# Altium PCB RPIadaptor1.PcbDoc (part 1 of 2) (continued)
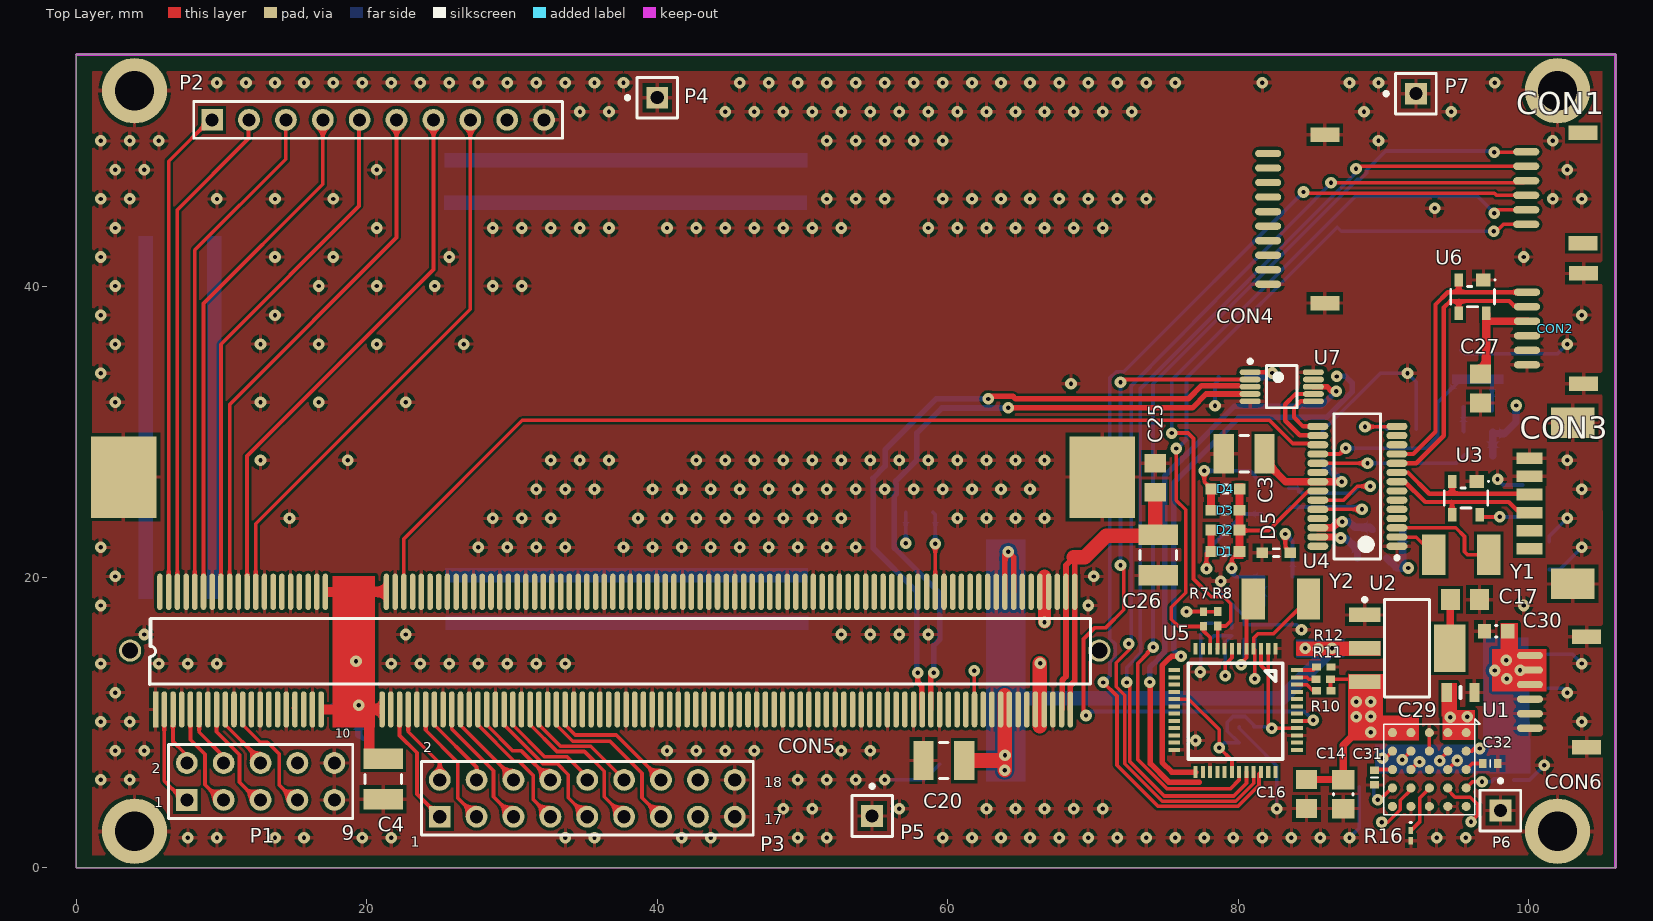
[diagram p0: Top Layer view]
## Footprints (in the part's own frame and the unit in brackets; to place one, negate y for a bottom-side part, rotate by r counter-clockwise, add the part's x,y. Pads: shape width x height; smd on the part's side, far side on the other; paste and mask are expansions set on the pad) (continued)
  silkscreen extent -2.85,-5 1.6,5.05, body extent -3,-5 3,5, height 1.73
T1M-06-F-SH-L-K [mm]
  oval 0.5x1.8 smd: 1(5,0) 2(4,0) 3(3,0) 4(2,0) 5(1,0) 6(0,0)
  rect 1x2 smd: GND(-1.3,-3.9) GND(6.3,-3.9)
  body extent -1.7,-5.48 6.7,0.42, height 4.72
T1M-10-F-SH-L-K [mm]
  oval 0.5x1.8 smd: 1(0,0) 2(-1,0) 3(-2,0) 4(-3,0) 5(-4,0) 6(-5,0) 7(-6,0) 8(-7,0) 9(-8,0) 10(-9,0)
  rect 1x2 smd: GND(-10.3,-3.9) GND(1.3,-3.9)
  body extent -10.7,-5.47 1.7,0.42, height 4.7
VNC1L [mm]
  rect 0.28x0.8 smd: 1(-71.65,-13.35) 2(-71.15,-13.35) 3(-70.65,-13.35) 4(-70.15,-13.35) 5(-69.65,-13.35) 6(-69.15,-13.35) 7(-68.65,-13.35) 8(-68.15,-13.35) 9(-67.65,-13.35) 10(-67.15,-13.35) 11(-66.65,-13.35) 12(-66.15,-13.35) 25(-66.15,-4.85) 26(-66.65,-4.85) 27(-67.15,-4.85) 28(-67.65,-4.85) 29(-68.15,-4.85) 30(-68.65,-4.85) 31(-69.15,-4.85) 32(-69.65,-4.85) 33(-70.15,-4.85) 34(-70.65,-4.85) 35(-71.15,-4.85) 36(-71.65,-4.85)
  rect 0.8x0.28 smd: 13(-64.67,-11.87) 14(-64.67,-11.37) 15(-64.67,-10.87) 16(-64.67,-10.37) 17(-64.67,-9.87) 18(-64.67,-9.37) 19(-64.67,-8.87) 20(-64.67,-8.37) 21(-64.67,-7.87) 22(-64.67,-7.37) 23(-64.67,-6.87) 24(-64.67,-6.37) 37(-73.13,-6.37) 38(-73.13,-6.87) 39(-73.13,-7.37) 40(-73.13,-7.87) 41(-73.13,-8.37) 42(-73.13,-8.87) 43(-73.13,-9.37) 44(-73.13,-9.87) 45(-73.13,-10.37) 46(-73.13,-10.87) 47(-73.13,-11.37) 48(-73.13,-11.87)
  silkscreen extent -72.15,-12.35 -65.65,-5.75, body extent -73.39,-13.59 -64.41,-4.61, height 1.6

## Part data
C1 C2 C15 C18 C19 C23 C25 C27: Capacitance="0.1 µF", Case Size="0805 (2012 mm)", Dielectric Characteristic=X7R, Manufacturer=Kemet, Manufacturer Part Number=C0805C104K5RAC-TU, Supplier Part Number 1=399-1170-1-ND, Tolerance="-10, +10 %", Voltage, Rating="50 VDC", Brand/Series="C Series", ComponentLink1Description=https://datasheet.ciiva.com/14589/70095383-14589048.pdf, ComponentLink1URL=https://datasheet.ciiva.com/14589/70095383-14589048.pdf, ComponentLink2Description=https://datasheet.ciiva.com/28682/1851736-28682232.pdf, ComponentLink2URL=https://datasheet.ciiva.com/28682/1851736-28682232.pdf, ComponentLink3Description=https://datasheet.ciiva.com/7842/1851736-7842539.pdf, ComponentLink3URL=https://datasheet.ciiva.com/7842/1851736-7842539.pdf, ComponentLink4Description=https://datasheet.ciiva.com/32431/slceramic-chip-condensers-e-32431755.pdf, ComponentLink4URL=https://datasheet.ciiva.com/32431/slceramic-chip-condensers-e-32431755.pdf, ComponentLink5Description=https://datasheet.ciiva.com/18410/70095383-18410815.pdf, ComponentLink5URL=https://datasheet.ciiva.com/18410/70095383-18410815.pdf, Dimensions="0.079\" x 0.049\" (2 x 1.25mm) LxW", Material, Element=Ceramic, Mounting Type=PCB, Packaging="Cut Tape", Pricing 1="1=0.1, 10=0.053, 25=0.0388, 50=0.029, 100=0.0237, 250=0.0198, 500=0.0169, 1000=0.0133 (USD)", Stock 1=2895664, Supplier 1=Digikey, Termination=SMD
C3 C4 C20 C26: Capacitance=47µF, Manufacturer=Kemet, Operating Temperature="-55°C ~ 125°C", Package / Case="1210 (3225 Metric)", Ratings=-, Supplier Part Number 1=399-12072-1-ND, Temperature Coefficient=X7R, Tolerance=±20%, Voltage - Rated=10V, Applications="General Purpose", Category=Capacitors, ComponentLink1Description=http://www.alliedelec.com/m/d/51f554c3dd800f51434b811e71a34895.pdf, ComponentLink1URL=http://www.alliedelec.com/m/d/51f554c3dd800f51434b811e71a34895.pdf, Family="Ceramic Capacitors", Features=-, Height - Seated (Max)=-, Lead Spacing=-, Lead Style=-, Manufacturer Part Number=C1210C476M8RAC7800, Mounting Type="Surface Mount, MLCC", Packaging="Tape &amp; Reel (TR)", Pricing 1="1=1.47, 10=1.159, 25=1.0628, 50=1.0046, 100=0.8694, 250=0.7728, 500=0.6569 (USD)", Series=C, Size / Dimension="0.126\" L x 0.098\" W (3.20mm x 2.50mm)", Stock 1=9455, Supplier 1=Digikey, Thickness (Max)="0.110\" (2.80mm)"
C5 C16 C17: Capacitance=10µF, Capacitance Tolerance="± 20%", Capacitor Case Style="0805 [2012 Metric]", Dielectric Characteristic=X7R, Manufacturer=Kemet, Operating Temperature Max=125°C, Operating Temperature Min=-55°C, Supplier Part Number 1=399-7413-1-ND, Voltage Rating=10V, Ceramic Capacitor Case="0805 [2012 Metric]", ComponentLink1Description=https://datasheet.ciiva.com/5408/kem-c1002-x7r-smd-5408794.pdf, ComponentLink1URL=https://datasheet.ciiva.com/5408/kem-c1002-x7r-smd-5408794.pdf, Manufacturer Part Number=C0805C106M8RACTU, MSL="MSL 1 - Unlimited", Packaging="Tape & Reel", Pricing 1="1=0.52, 10=0.362, 25=0.2972, 50=0.2536, 100=0.2174, 250=0.1811, 500=0.163, 1000=0.1377 (USD)", Product Range="KEMET - C Series", Stock 1=17950, Supplier 1=Digikey, SVHC="No SVHC (16-Jun-2014)"
C6 C7 C24 C28 C29: library part "CAP 0805", "805 Capacitor"
C8 C9 C10 C11: library part "CAP 0402", "CBR04C680F3GAC"
C12 C13: library part "CAP 0201", "201 Capacitor"
C14: library part CMP-1036-04876-1, "GRM21BR60J476ME15L", Case-EIA=0805, Case-Metric=2012, Rated Voltage="6.3 V", Tolerance=±10%, Max Thickness="1.45 mm", Technology=SMT
C30: library part CMP-1035-01192-1, "GRM188C81E475KE11D", Case-EIA=0603, Case-Metric=1608, Rated Voltage="25 V", Tolerance=±10%, Max Thickness="1 mm", Technology=SMT
C31 C32: library part "CAP 0402", "402 Capacitor"
CON1 CON2 CON6: "6 Positions Header Connector Surface Mount, Right Angle", Manufacturer=Samtec, Supplier Part Number 1=SAM11991-ND, Manufacturer Part Number=T1M-06-F-SH-L-K, Stock 1=0, Supplier 1=Digi-Key
CON3: "CONN HEADER 6POS 1.25MM R/A SMD", Manufacturer=Molex, Supplier Part Number 1=WM7624CT-ND, Category="Connector Headers and PCB Receptacles", ComponentLink1Description=https://datasheet.ciiva.com/6813/532610671-sd-6813952.pdf, ComponentLink1URL=https://datasheet.ciiva.com/6813/532610671-sd-6813952.pdf, ComponentLink2Description=https://datasheet.ciiva.com/3933/353410532610671-pcb-headers-3933365.pdf, ComponentLink2URL=https://datasheet.ciiva.com/3933/353410532610671-pcb-headers-3933365.pdf, ComponentLink3Description=https://datasheet.ciiva.com/6813/532610671-sd-6813942.pdf, ComponentLink3URL=https://datasheet.ciiva.com/6813/532610671-sd-6813942.pdf, ComponentLink4Description=https://datasheet.ciiva.com/3117/0532610671-pcb-headers-3117609.pdf, ComponentLink4URL=https://datasheet.ciiva.com/3117/0532610671-pcb-headers-3117609.pdf, ComponentLink5Description=https://datasheet.ciiva.com/3117/0532610671-pcb-headers-3117610.pdf, ComponentLink5URL=https://datasheet.ciiva.com/3117/0532610671-pcb-headers-3117610.pdf, ComponentLink6Description=https://datasheet.ciiva.com/6813/532610671-sd-6813947.pdf, ComponentLink6URL=https://datasheet.ciiva.com/6813/532610671-sd-6813947.pdf, ComponentLink7Description=https://datasheet.ciiva.com/48768/0532610671-pcb-headers-48768267.pdf, ComponentLink7URL=https://datasheet.ciiva.com/48768/0532610671-pcb-headers-48768267.pdf, Contact Plating="Tin Over Nickel", Gender=HDR, Manufacturer Part Number=0532610671, Number of Contacts=6, Number of Rows=1, Packaging="Cut Tape", Pitch="1.25 mm", Pricing 1="1=1.37, 10=1.239, 100=1.0624, 500=0.8853 (USD)", Stock 1=23842, Supplier 1=Digi-Key, Termination Method=Solder, Type="Shrouded Header"
CON4: "10 Positions Header Connector Surface Mount, Right Angle"
CON5: Manufacturer="TE Connectivity (Tyco Electronics)", Standard Package=20, Supplier Part Number 1=A114851-ND, 3D Model=1473005-4.pdf, Category="Connectors, Interconnects", ComponentLink1Description=https://datasheet.ciiva.com/682/eng-cd-1473005-j2-682720.pdf, ComponentLink1URL=https://datasheet.ciiva.com/682/eng-cd-1473005-j2-682720.pdf, ComponentLink2Description=https://datasheet.ciiva.com/15171/getdatasheetpartid-99150-15171488.pdf, ComponentLink2URL=https://datasheet.ciiva.com/15171/getdatasheetpartid-99150-15171488.pdf, ComponentLink3Description=https://datasheet.ciiva.com/1105/582309-1105221.pdf, ComponentLink3URL=https://datasheet.ciiva.com/1105/582309-1105221.pdf, ComponentLink4Description=https://datasheet.ciiva.com/682/eng-cd-1473005-j2-682726.pdf, ComponentLink4URL=https://datasheet.ciiva.com/682/eng-cd-1473005-j2-682726.pdf, ComponentLink5Description=https://datasheet.ciiva.com/14156/04821302-14156311.pdf, ComponentLink5URL=https://datasheet.ciiva.com/14156/04821302-14156311.pdf, ComponentLink6Description=https://datasheet.ciiva.com/3136/eng-cd-1473005-j-3136060.pdf, ComponentLink6URL=https://datasheet.ciiva.com/3136/eng-cd-1473005-j-3136060.pdf, ComponentLink7Description=https://datasheet.ciiva.com/16380/eng-cd-1473005-j-16380909.pdf, ComponentLink7URL=https://datasheet.ciiva.com/16380/eng-cd-1473005-j-16380909.pdf, ComponentLink8Description=https://datasheet.ciiva.com/16651/eng-cd-1473005-j-16651646.pdf, ComponentLink8URL=https://datasheet.ciiva.com/16651/eng-cd-1473005-j-16651646.pdf, Connector Style=SODIMM, Contact Finish=Gold, Contact Finish Thickness=Flash, Family="Memory Connectors - Inline Module Sockets", Features="Board Guide, Latches", Manufacturer Part Number=1473005-4, Memory Type="DDR 2 SDRAM", Minimum Quantity=SODIMM, Mounting Feature=Standard, Mounting Type="Surface Mount, Right Angle", Number of Positions=200, Other Names="1473005-4-ND / A114851", Packaging=Tray, Pricing 1="1=3.9, 10=3.744, 50=3.276, 100=3.12, 250=2.73, 500=2.652, 1000=2.262, 2500=2.106 (USD)", Quantity Available=Tray, RoHS Information="1473005-4 Statement of Compliance /  / RoHS 2 Statement", Series=AMP, Stock 1=1922, Supplier 1=Digikey, Unit PriceUSD=AMP
D1 D2 D3 D4 D5: library part LTST-S220KRKT, "Red SMD diode", Supplier Part Number 1=160-1469-1-ND, Code_JEDEC=DO-214-AB, LatestRevisionDate=17-Jul-2002, LatestRevisionNote="Re-released for DXP Platform.", PackageDescription="DO-214-AB/SMC; 2 C-Bend Leads; Body 7.9 x 5.9 mm, inc. leads (LxW)", PackageReference=SMC, PackageVersion=Sep-1996, Published=8-Jun-2000, Publisher="Altium Limited", Supplier 1=Digikey
P1: "Header, 5-Pin, Dual row", LatestRevisionDate=17-Jul-2002, LatestRevisionNote="Re-released for DXP Platform.", Publisher="Altium Limited"
P2: "Header, 10-Pin", LatestRevisionDate=17-Jul-2002, LatestRevisionNote="Re-released for DXP Platform.", Publisher="Altium Limited"
P3: "Header, 9-Pin, Dual row", LatestRevisionDate=17-Jul-2002, LatestRevisionNote="Re-released for DXP Platform.", Publisher="Altium Limited"
R1 R2 R4: Case Code - in=0805, Case Code - mm=2012, Manufacturer=Vishay, Operating Temperature Range="- 55 C to + 155 C", Package / Case="0805 (2012 metric)", Power Rating="125 mW (1/8 W)", Resistance="75 Ohms", Supplier Part Number 1=541-75.0CCT-ND, Temperature Coefficient="100 PPM / K", Tolerance="1 %", Voltage Rating="150 V", Brand="Vishay / Dale", ComponentLink1Description=https://datasheet.ciiva.com/2495/dcrcwe3-2495665.pdf, ComponentLink1URL=https://datasheet.ciiva.com/2495/dcrcwe3-2495665.pdf, ComponentLink2Description=https://datasheet.ciiva.com/2495/dcrcwe3-2495666.pdf, ComponentLink2URL=https://datasheet.ciiva.com/2495/dcrcwe3-2495666.pdf, ComponentLink3Description=https://datasheet.ciiva.com/2495/dcrcwe3-2495667.pdf, ComponentLink3URL=https://datasheet.ciiva.com/2495/dcrcwe3-2495667.pdf, ComponentLink4Description=https://datasheet.ciiva.com/7673/1697337-7673495.pdf, ComponentLink4URL=https://datasheet.ciiva.com/7673/1697337-7673495.pdf, ComponentLink5Description=https://datasheet.ciiva.com/26316/fld-crcw-e3-data-en-26316535.pdf, ComponentLink5URL=https://datasheet.ciiva.com/26316/fld-crcw-e3-data-en-26316535.pdf, ComponentLink6Description=https://datasheet.ciiva.com/7673/1697337-7673369.pdf, ComponentLink6URL=https://datasheet.ciiva.com/7673/1697337-7673369.pdf, ComponentLink7Description=https://datasheet.ciiva.com/11811/0900766b80d98b26-11811307.pdf, ComponentLink7URL=https://datasheet.ciiva.com/11811/0900766b80d98b26-11811307.pdf, ComponentLink8Description=https://datasheet.ciiva.com/16763/70201119-16763292.pdf, ComponentLink8URL=https://datasheet.ciiva.com/16763/70201119-16763292.pdf, ComponentLink9Description=https://datasheet.ciiva.com/5542/dcrcwe3-109170-5542910.pdf, ComponentLink9URL=https://datasheet.ciiva.com/5542/dcrcwe3-109170-5542910.pdf, Factory Pack Quantity=5000, Height="0.45 mm", Length="2 mm", Manufacturer Part Number=CRCW080575R0FKEA, Packaging=Reel, Pricing 1="1=0.1, 10=0.042, 25=0.0304, 50=0.0232, 100=0.017, 250=0.013, 500=0.0104, 1000=0.0077 (USD)", Product="Thick Film Resistors SMD", Product Category="Thick Film Resistors - SMD", RoHS=Details, Series=CRCW, Stock 1=7205, Supplier 1=Digikey, Termination Style=SMD/SMT, Unit Weight="0.000194 oz", Width="1.25 mm"
R3 R9 R19 R21: Case Code - in=0805, Case Code - mm=2012, Case Height="0.45 mm", Case Length="2 mm", Case Width="1.25 mm", Manufacturer=Vishay, Manufacturer Part Number=CRCW080510K0FKEA, Operating Temperature Range="- 55 C to + 155 C", Package / Case="0805 (2012 metric)", Power Rating="125 mW (1/8 W)", Resistance="10 kOhms", Supplier Part Number 1=541-10.0KCCT-ND, Temperature Coefficient="100 PPM / K", Tolerance="1 %", Voltage Rating="150 V", Brand="Vishay / Dale", ComponentLink1Description=https://datasheet.ciiva.com/5547/dcrcwe3-109170-5547559.pdf, ComponentLink1URL=https://datasheet.ciiva.com/5547/dcrcwe3-109170-5547559.pdf, ComponentLink2Description=https://datasheet.ciiva.com/11808/0900766b80d98b26-11808216.pdf, ComponentLink2URL=https://datasheet.ciiva.com/11808/0900766b80d98b26-11808216.pdf, ComponentLink3Description=https://datasheet.ciiva.com/16719/70201119-16719082.pdf, ComponentLink3URL=https://datasheet.ciiva.com/16719/70201119-16719082.pdf, ComponentLink4Description=https://datasheet.ciiva.com/16514/dcrcwe3-16514907.pdf, ComponentLink4URL=https://datasheet.ciiva.com/16514/dcrcwe3-16514907.pdf, ComponentLink5Description=https://datasheet.ciiva.com/16883/dcrcwe3-16883708.pdf, ComponentLink5URL=https://datasheet.ciiva.com/16883/dcrcwe3-16883708.pdf, ComponentLink6Description=https://datasheet.ciiva.com/8337/dcrcwe3-8337773.pdf, ComponentLink6URL=https://datasheet.ciiva.com/8337/dcrcwe3-8337773.pdf, ComponentLink7Description=https://datasheet.ciiva.com/16755/70201119-16755389.pdf, ComponentLink7URL=https://datasheet.ciiva.com/16755/70201119-16755389.pdf, ComponentLink8Description=https://datasheet.ciiva.com/46394/1720486-46394381.pdf, ComponentLink8URL=https://datasheet.ciiva.com/46394/1720486-46394381.pdf, ComponentLink9Description=https://datasheet.ciiva.com/8337/dcrcwe3-8337774.pdf, ComponentLink9URL=https://datasheet.ciiva.com/8337/dcrcwe3-8337774.pdf, ComponentLink10Description=https://datasheet.ciiva.com/16199/dcrcwe3-16199086.pdf, ComponentLink10URL=https://datasheet.ciiva.com/16199/dcrcwe3-16199086.pdf, Factory Pack Quantity=5000, Packaging=Reel, Pricing 1="1=0.1, 10=0.042, 25=0.0304, 50=0.0232, 100=0.017, 250=0.013, 500=0.0104, 1000=0.0077 (USD)", Product="Thick Film Resistors SMD", Product Category="Thick Film Resistors - SMD", RoHS=Details, Series=CRCW, Stock 1=0, Supplier 1=Digikey, Unit Weight="0.000194 oz"
R5 R18 R22: Manufacturer=Vishay, Operating Temperature="-55°C ~ 155°C", Package / Case="0805 (2012 Metric)", Power (Watts)="0.125W, 1/8W", Resistance (Ohms)=0.0, Standard Package=1, Supplier Part Number 1=541-0.0ACT-ND, Temperature Coefficient=-, Tolerance=Jumper, Category=Resistors, ComponentLink1Description=https://datasheet.ciiva.com/16883/dcrcwe3-16883622.pdf, ComponentLink1URL=https://datasheet.ciiva.com/16883/dcrcwe3-16883622.pdf, ComponentLink2Description=https://datasheet.ciiva.com/26314/fld-crcw-e3-data-en-26314630.pdf, ComponentLink2URL=https://datasheet.ciiva.com/26314/fld-crcw-e3-data-en-26314630.pdf, ComponentLink3Description=https://datasheet.ciiva.com/5543/dcrcwe3-109170-5543096.pdf, ComponentLink3URL=https://datasheet.ciiva.com/5543/dcrcwe3-109170-5543096.pdf, ComponentLink4Description=https://datasheet.ciiva.com/11811/0900766b80d98b26-11811304.pdf, ComponentLink4URL=https://datasheet.ciiva.com/11811/0900766b80d98b26-11811304.pdf, ComponentLink5Description=https://datasheet.ciiva.com/16389/dcrcwe3-16389338.pdf, ComponentLink5URL=https://datasheet.ciiva.com/16389/dcrcwe3-16389338.pdf, ComponentLink6Description=https://datasheet.ciiva.com/16719/70201119-16719706.pdf, ComponentLink6URL=https://datasheet.ciiva.com/16719/70201119-16719706.pdf, ComponentLink7Description=https://datasheet.ciiva.com/2463/dcrcwe3-2463037.pdf, ComponentLink7URL=https://datasheet.ciiva.com/2463/dcrcwe3-2463037.pdf, ComponentLink8Description=https://datasheet.ciiva.com/7841/1697337-7841629.pdf, ComponentLink8URL=https://datasheet.ciiva.com/7841/1697337-7841629.pdf, ComponentLink9Description=https://datasheet.ciiva.com/2463/dcrcwe3-2463038.pdf, ComponentLink9URL=https://datasheet.ciiva.com/2463/dcrcwe3-2463038.pdf, ComponentLink10Description=https://datasheet.ciiva.com/2463/dcrcwe3-2463039.pdf, ComponentLink10URL=https://datasheet.ciiva.com/2463/dcrcwe3-2463039.pdf, ComponentLink11Description=https://datasheet.ciiva.com/7841/1720486-7841839.pdf, ComponentLink11URL=https://datasheet.ciiva.com/7841/1720486-7841839.pdf, Composition="Thick Film", EDA / CAD Models="Download from Accelerated Designs", Family="Chip Resistor - Surface Mount", Features="Automotive AEC-Q200", Height="0.020\" (0.50mm)", Kits="541-1420-ND  - RESISTOR KIT 0-1M 1/8W 6100PCS", Manufacturer Part Number=CRCW08050000Z0EA, Number of Terminations=2, Online Catalog="CRCW - Automotive Series", Other Names=541-0.0ACT, Packaging="Cut Tape (CT)", Pricing 1="1=0.1, 10=0.026, 25=0.0184, 50=0.014, 100=0.0104, 250=0.0079, 500=0.0063, 1000=0.0047 (USD)", Series=CRCW, Size / Dimension="0.079\" L x 0.049\" W (2.00mm x 1.25mm)", Stock 1=1015935, Supplier 1=Digikey, Supplier Device Package="0805 (2012 Metric)"
R6: Case Code - in=0805, Case Code - mm=2012, Case Height="0.45 mm", Case Length="2 mm", Case Width="1.25 mm", Manufacturer=Vishay, Operating Temperature Range="- 55 C to + 155 C", Package / Case="0805 (2012 metric)", Power Rating="125 mW (1/8 W)", Resistance="2.7 kOhms", Supplier Part Number 1=541-2.70KCCT-ND, Temperature Coefficient="100 PPM / K", Tolerance="1 %", Voltage Rating="150 V", Brand="Vishay / Dale", ComponentLink1Description=https://datasheet.ciiva.com/3258/dcrcwe3-3258453.pdf, ComponentLink1URL=https://datasheet.ciiva.com/3258/dcrcwe3-3258453.pdf, ComponentLink2Description=https://datasheet.ciiva.com/16764/70201119-16764422.pdf, ComponentLink2URL=https://datasheet.ciiva.com/16764/70201119-16764422.pdf, ComponentLink3Description=https://datasheet.ciiva.com/5543/dcrcwe3-109170-5543191.pdf, ComponentLink3URL=https://datasheet.ciiva.com/5543/dcrcwe3-109170-5543191.pdf, ComponentLink4Description=https://datasheet.ciiva.com/7841/1697337-7841655.pdf, ComponentLink4URL=https://datasheet.ciiva.com/7841/1697337-7841655.pdf, ComponentLink5Description=https://datasheet.ciiva.com/2467/dcrcwe3-2467242.pdf, ComponentLink5URL=https://datasheet.ciiva.com/2467/dcrcwe3-2467242.pdf, ComponentLink6Description=https://datasheet.ciiva.com/16435/dcrcwe3-16435914.pdf, ComponentLink6URL=https://datasheet.ciiva.com/16435/dcrcwe3-16435914.pdf, ComponentLink7Description=https://datasheet.ciiva.com/2467/dcrcwe3-2467243.pdf, ComponentLink7URL=https://datasheet.ciiva.com/2467/dcrcwe3-2467243.pdf, ComponentLink8Description=https://datasheet.ciiva.com/2467/dcrcwe3-2467244.pdf, ComponentLink8URL=https://datasheet.ciiva.com/2467/dcrcwe3-2467244.pdf, ComponentLink9Description=https://datasheet.ciiva.com/16853/dcrcwe3-16853084.pdf, ComponentLink9URL=https://datasheet.ciiva.com/16853/dcrcwe3-16853084.pdf, ComponentLink10Description=https://datasheet.ciiva.com/11809/0900766b80d98b26-11809102.pdf, ComponentLink10URL=https://datasheet.ciiva.com/11809/0900766b80d98b26-11809102.pdf, ComponentLink11Description=https://datasheet.ciiva.com/7841/1697337-7841887.pdf, ComponentLink11URL=https://datasheet.ciiva.com/7841/1697337-7841887.pdf, Factory Pack Quantity=5000, Manufacturer Part Number=CRCW08052K70FKEA, Packaging=Reel, Pricing 1="1=0.1, 10=0.042, 25=0.0304, 50=0.0232, 100=0.017, 250=0.013, 500=0.0104, 1000=0.0077 (USD)", Product="Thick Film Resistors SMD", Product Category="Thick Film Resistors - SMD", RoHS=Details, Series=CRCW, Stock 1=1283, Supplier 1=Digikey, Unit Weight="0.000194 oz"
R7 R8 R10 R11 R12 R13 R14 R15: library part "RES 0402", "402 Resistor"
R16: library part "RES 0603", "603 Resistor"
R20: Case Code - in=0805, Case Code - mm=2012, Manufacturer=Vishay, Operating Temperature Range="- 55 C to + 155 C", Package / Case="0805 (2012 metric)", Power Rating="125 mW (1/8 W)", Resistance="100 kOhms", Supplier Part Number 1=541-100KCCT-ND, Temperature Coefficient="100 PPM / K", Tolerance="1 %", Voltage Rating="150 V", Brand="Vishay / Dale", ComponentLink1Description=https://datasheet.ciiva.com/11809/0900766b80d98b26-11809057.pdf, ComponentLink1URL=https://datasheet.ciiva.com/11809/0900766b80d98b26-11809057.pdf, ComponentLink2Description=https://datasheet.ciiva.com/7777/1697337-7777349.pdf, ComponentLink2URL=https://datasheet.ciiva.com/7777/1697337-7777349.pdf, ComponentLink3Description=https://datasheet.ciiva.com/3258/dcrcwe3-3258006.pdf, ComponentLink3URL=https://datasheet.ciiva.com/3258/dcrcwe3-3258006.pdf, ComponentLink4Description=https://datasheet.ciiva.com/16754/70201119-16754822.pdf, ComponentLink4URL=https://datasheet.ciiva.com/16754/70201119-16754822.pdf, ComponentLink5Description=https://datasheet.ciiva.com/8337/dcrcwe3-8337738.pdf, ComponentLink5URL=https://datasheet.ciiva.com/8337/dcrcwe3-8337738.pdf, ComponentLink6Description=https://datasheet.ciiva.com/16341/dcrcwe3-16341530.pdf, ComponentLink6URL=https://datasheet.ciiva.com/16341/dcrcwe3-16341530.pdf, ComponentLink7Description=https://datasheet.ciiva.com/16852/dcrcwe3-16852810.pdf, ComponentLink7URL=https://datasheet.ciiva.com/16852/dcrcwe3-16852810.pdf, ComponentLink8Description=https://datasheet.ciiva.com/16720/70201119-16720891.pdf, ComponentLink8URL=https://datasheet.ciiva.com/16720/70201119-16720891.pdf, ComponentLink9Description=https://datasheet.ciiva.com/7777/1720486-7777565.pdf, ComponentLink9URL=https://datasheet.ciiva.com/7777/1720486-7777565.pdf, Factory Pack Quantity=5000, Height="0.45 mm", Length="2 mm", Manufacturer Part Number=CRCW0805100KFKEA, Packaging=Reel, Pricing 1="1=0.1, 10=0.042, 25=0.0304, 50=0.0232, 100=0.017, 250=0.013, 500=0.0104, 1000=0.0077 (USD)", Product="Thick Film Resistors SMD", Product Category="Thick Film Resistors - SMD", RoHS=Details, Series=CRCW, Stock 1=147880, Supplier 1=Digikey, Termination Style=SMD/SMT, Unit Weight="0.000194 oz", Width="1.25 mm"
U1: library part LTM4622, "Dual Ultrathin 2.5A or Single 5A Step-Down DC/DC µModule Regulator", Ref=LTM4622IV#PBF
U2: "LDO", Dropout Voltage@Current (Max)=1.2@100mA/1.25@500mA, Dropout Voltage@Current (Typ)=1.1@100mA/1.15@500mA, Input Voltage="15 V", Manufacturer="Texas Instruments (TI) / National Semiconductor", Operating Temperature Classification=Commercial, Operating Temp Range="0C to 125C", Output Current="1.5 A", Output Voltage="1.8 V", Output Voltage Accuracy="?1 %", Package Type=SOT-223, Quiescent Current (Max)="10 mA", Supplier Part Number 1=LM1117MPX-1.8/NOPBCT-ND, Voltage Regulator Type=Linear, ComponentLink1Description=https://datasheet.ciiva.com/34302/1282521-34302144.pdf, ComponentLink1URL=https://datasheet.ciiva.com/34302/1282521-34302144.pdf, ComponentLink2Description=https://datasheet.ciiva.com/15111/getdatasheetpartid-112508-15111793.pdf, ComponentLink2URL=https://datasheet.ciiva.com/15111/getdatasheetpartid-112508-15111793.pdf, ComponentLink3Description=https://datasheet.ciiva.com/3223/lm1117-n-3223526.pdf, ComponentLink3URL=https://datasheet.ciiva.com/3223/lm1117-n-3223526.pdf, ComponentLink4Description=https://datasheet.ciiva.com/3223/lm1117-n-3223527.pdf, ComponentLink4URL=https://datasheet.ciiva.com/3223/lm1117-n-3223527.pdf, ComponentLink5Description=https://datasheet.ciiva.com/6591/lm1117-n-6591863.pdf, ComponentLink5URL=https://datasheet.ciiva.com/6591/lm1117-n-6591863.pdf, ComponentLink6Description=https://datasheet.ciiva.com/6591/lm1117-n-6591864.pdf, ComponentLink6URL=https://datasheet.ciiva.com/6591/lm1117-n-6591864.pdf, ComponentLink7Description=https://datasheet.ciiva.com/6591/lm1117-n-6591865.pdf, ComponentLink7URL=https://datasheet.ciiva.com/6591/lm1117-n-6591865.pdf, ComponentLink8Description=https://datasheet.ciiva.com/46386/1882372-46386047.pdf, ComponentLink8URL=https://datasheet.ciiva.com/46386/1882372-46386047.pdf, DELETED=Compliant, Input Voltage (Max)="15 V", Line Regulation=1mV, Load Regulation=1mV, Manufacturer Part Number=LM1117MPX-1.8/NOPB, Mounting="Surface Mount", Number of Outputs=Single, Packaging="Tape and Reel", Pin Count="3 +Tab", Polarity Type=Positive, Pricing 1="1=1.04, 10=0.927, 100=0.7225, 500=0.5969, 1000=0.4712 (USD)", Rad Hardened=No, Regulator Output Type=Fixed, Stock 1=19027, Supplier 1=Digikey, Topology=LDO
U3 U6: "TVS DIODE 5.5VWM SOT143B", Capacitance Value=16pF, ESD Protection Voltage="8KV@Contact Disc", Leakage Current=0.1uA, Manufacturer="NXP Semiconductors", Operating Temperature Classification=Industrial, Operating Temperature Max Deg. C=85C, Operating Temperature Min Deg. C=-40C, Operating Temp Range="-40C to 85C", Package / Case=SOT, Reverse Breakdown Voltage="6 V", Reverse Stand-off Voltage="5.5 V", Supplier Part Number 1=1727-3884-1-ND, Working Voltage=5.5V, ComponentLink1Description=https://datasheet.ciiva.com/4479/prtr5v0u2x-102853-4479461.pdf, ComponentLink1URL=https://datasheet.ciiva.com/4479/prtr5v0u2x-102853-4479461.pdf, ComponentLink2Description=https://datasheet.ciiva.com/16199/prtr5v0u2x-16199605.pdf, ComponentLink2URL=https://datasheet.ciiva.com/16199/prtr5v0u2x-16199605.pdf, ComponentLink3Description=https://datasheet.ciiva.com/28409/109718-28409830.pdf, ComponentLink3URL=https://datasheet.ciiva.com/28409/109718-28409830.pdf, ComponentLink4Description=https://datasheet.ciiva.com/6918/109718-6918650.pdf, ComponentLink4URL=https://datasheet.ciiva.com/6918/109718-6918650.pdf, ComponentLink5Description=https://datasheet.ciiva.com/335/prtr5v0u2x-335467.pdf, ComponentLink5URL=https://datasheet.ciiva.com/335/prtr5v0u2x-335467.pdf, ComponentLink6Description=https://datasheet.ciiva.com/25919/prtr5v0u2x-25919147.pdf, ComponentLink6URL=https://datasheet.ciiva.com/25919/prtr5v0u2x-25919147.pdf, ComponentLink7Description=https://datasheet.ciiva.com/11193/prtr5v0u2x-11193230.pdf, ComponentLink7URL=https://datasheet.ciiva.com/11193/prtr5v0u2x-11193230.pdf, ComponentLink8Description=https://datasheet.ciiva.com/31402/109718-31402206.pdf, ComponentLink8URL=https://datasheet.ciiva.com/31402/109718-31402206.pdf, ComponentLink9Description=https://datasheet.ciiva.com/26787/prtr5v0u2x-215-26787348.pdf, ComponentLink9URL=https://datasheet.ciiva.com/26787/prtr5v0u2x-215-26787348.pdf, Configuration=Quad, Direction Type=Uni-Directional, Leakage Current (Max)=0.1uA, Manufacturer Part Number=PRTR5V0U2X,215, Mounting="Surface Mount", Mounting Style="Surface Mount", Number of  Elements=1, Package Type=SOT, Packaging="Tape and Reel", Pin Count="3 +Tab", Polarity=Uni-Directional, Pricing 1="1=0.52, 10=0.447, 100=0.334, 500=0.2624, 1000=0.2028 (USD)", Product Depth (mm)="1.4 mm", Product Height (mm)="1 mm", Product Length (mm)="3 mm", Rad Hardened=No, Stock 1=73838, Supplier 1=Digi-Key, Suppressor Type="Diode Arrays", Working Voltage (Max)=5.5V
U4: "4 x USB2.0 MUX", Current - Supply=-, Manufacturer=Exar, Manufacturer Part Number=XR22404CG28-F, Operating Temperature="0°C ~ 70°C", Supplier Part Number 1=1016-2163-ND, Voltage - Supply="3 V ~ 5.5 V", Category="Integrated Circuits (ICs)", Family="Interface - Controllers", Function=Controller, Interface=USB, Part Status=Active, Pricing 1="1=2.17, 10=1.961, 100=1.5759, 250=1.4008, 500=1.2257, 1000=1.0156, 2500=0.9455, 5000=0.9105, 10000=0.8755 (USD)", Protocol=USB, Series=-, Standards="USB 2.0", Stock 1=0, Supplier 1=Digikey
U7: "2 ports USB switch", Analog Switch ON Resistance=6.5@3VOhm, Dual Supply Voltage (Max)="Not RequiredV", Manufacturer="Fairchild Semiconductor", Manufacturer Part Number=FSUSB42MUX, Operating Temperature Classification=Industrial, Operating Temp Range="-40C to 85C", Package Type=MSOP, Power Supply Requirement=Single, Single Supply Voltage (Max)=4.4V, Single Supply Voltage (Min)=3V, Supplier Part Number 1=FSUSB42MUXDKR-ND, Analog Switch Turn Off Time=12(Typ)@3.3Vns, Analog Switch Turn On Time=13(Typ)@3.3Vns, ComponentLink1Description=https://datasheet.ciiva.com/26074/fsusb42-26074738.pdf, ComponentLink1URL=https://datasheet.ciiva.com/26074/fsusb42-26074738.pdf, ComponentLink2Description=https://datasheet.ciiva.com/3232/fsusb42-3232662.pdf, ComponentLink2URL=https://datasheet.ciiva.com/3232/fsusb42-3232662.pdf, ComponentLink3Description=https://datasheet.ciiva.com/3233/fsusb42-3233258.pdf, ComponentLink3URL=https://datasheet.ciiva.com/3233/fsusb42-3233258.pdf, ComponentLink4Description=https://datasheet.ciiva.com/1666/fsusb42-1666347.pdf, ComponentLink4URL=https://datasheet.ciiva.com/1666/fsusb42-1666347.pdf, ComponentLink5Description=https://datasheet.ciiva.com/1666/fsusb42-1666348.pdf, ComponentLink5URL=https://datasheet.ciiva.com/1666/fsusb42-1666348.pdf, ComponentLink6Description=https://datasheet.ciiva.com/1666/fsusb42-1666349.pdf, ComponentLink6URL=https://datasheet.ciiva.com/1666/fsusb42-1666349.pdf, ComponentLink7Description=https://datasheet.ciiva.com/4924/fsusb42-112719-4924269.pdf, ComponentLink7URL=https://datasheet.ciiva.com/4924/fsusb42-112719-4924269.pdf, Dual Supply Voltage (Min)="Not RequiredV", Dual Supply Voltage (Typ)="Not RequiredV", Mounting="Surface Mount", Multiplexer Configuration="Single DPDT", Number of Channels=1, Number of Inputs=2, Number of Outputs=4, Packaging="Tape and Reel", Pin Count=10, Pricing 1="1=0.62, 10=0.544, 100=0.4169, 500=0.3296, 1000=0.2637 (USD)", Stock 1=2789, Supplier 1=Digikey
P4 P5 P6 P7: LatestRevisionDate=17-Jul-2002, LatestRevisionNote="Re-released for DXP Platform.", Publisher="Altium Limited"

## Free pads (board coordinates)
  round 0.8 hole 0.3: 2(89.9,3.125) 2(96.046,3.15)
  round 4.5 hole 2.7: MH1(4,2.5) MH1(4,53.5) MH1(102,2.5) MH1(102,53.5)

## Via types
v1: diameter 0.8, hole 0.3, Top Layer to Bottom Layer, 369 vias

## Nets (pads, with @x,y where several pads share a name; then routed paths per layer and width w, separated by ;. In a path a pad name is that pad's centre, name@x,y a point inside that pad or via, vN(x,y) a via of type N, cw(c..) or ccw(c..) an arc to the next point about the centre after c; other vN are vias at no path point)
1V8P: C19.1 C20.1 CON5.183 CON5.184 CON5.185 CON5.186 U2.2 | length 38.5
  Top Layer w0.254: 63.925,11.859 63.941,11.875 ; v1@63.95,21.525 v1(64.175,21.75)
  Top Layer w0.38: CON5.184@63.95,18.99 v1@63.95,21.525 ; v1(64.175,21.75) 64.55,21.375 CON5.186@64.55,18.99
  Top Layer w1: C20.1@61.136,7.373 63.598,7.373 ; v1(63.925,6.7) 63.925,11.859
  Bottom Layer w0.5: C19.1@61.447,7.109 63.098,7.109
  Bottom Layer w1: 64.65,11.35 64.975,11.675 70.244,11.675 70.269,11.65 71.181,11.65 71.206,11.675 71.865,11.675 71.89,11.65 83.027,11.65 v1(86.475,15.098)
  other v1: 63.95,7.725 85.518,15.075 84.619,15.107
3V3P: C2.1 C3.1 C4.1 C5.1 C8.1 C9.1 C14.2 C15.1 C16.1 C23.2 CON5.39 CON5.40 CON5.41 CON5.42 CON5.191 CON5.192 CON5.193 CON5.194 P1.8 P2.9 P3.15 P3.16 R3.2 R7.2 R8.2 R9.1 R10.1 R11.1 R18.2 R21.2 R22.2 U1.D1 U1.E1 U2.1 U4.21 U5.2 U5.3 U5.17 U5.30 U5.40 U7.1 | length 78.1
  Top Layer w0.254: v1@66.345,14.053 v1(66.37,14.078) v1@66.37,13.8 ; U5.17@75.6,11.6 76.6,11.6 78.7,9.5 v1(78.7,8.247) 79.58,7.367 U5.30@79.58,6.58 ; v1(76.45,17.631) 77.619,17.631 R7.2@77.625,17.625 78.594,17.625 R8.2@78.6,17.631 ; U7.1@80.836,34.115 U7.1@80.887,34.064 ; U5.3@81.58,15.08 81.58,13.925 82.08,13.425 ; U5.2@82.08,15.08 82.08,13.425 ; v1@82.3,34.115 v1(82.351,34.064) ; U5.40@84.06,9.6 U5.40@84.06,9.6 v1(82.325,9.602) 82.08,9.847 82.08,13.425 ; C16.1@84.725,6.075 C16.1@84.743,6.057 ; R10.1@86.4,12.175 86.375,12.2 R11.1@86.375,12.975 88.55,12.975 U2.1@88.725,12.8
  Top Layer w0.3: U7.1@80.836,34.115 v1@82.3,34.115
  Top Layer w0.5: C3.1@81.762,28.088 83.275,26.575 v1(87.138,26.575) ; C16.1@84.743,6.057 C14.2@87.25,6.057 87.25,8.425 88.725,9.9
  Top Layer w0.7: 17.108,10.89 CON5.41@20.875,10.89 ; 17.408,18.99 CON5.42@21.175,18.99
  Top Layer w0.9: v1(66.675,16.9) 66.675,20.067
  Top Layer w1: 66.345,9.75 v1@66.345,14.053
  Bottom Layer w0.254: v1@19.368,11.1 v1(19.445,11.177) ; C15.1@19.445,9.148 C15.1@19.747,8.846 ; v1(57.119,22.336) R9.1@57.119,24.479 ; v1(78.7,8.247) 79.043,8.59 C8.1@80.067,8.59 79.265,9.392 79.265,10.015 79.65,10.4 80.5,10.4 81.093,9.807 C9.1@81.093,9.7 82.227,9.7 v1(82.325,9.602) ; C2.1@85.805,27.908 C2.1@85.805,28.051 ; 91.35,21.005 v1(91.727,20.628) ; R22.2@97.55,30.025 R22.2@97.675,29.9
  Bottom Layer w0.5: C5.1@17.675,11.1 v1@19.368,11.1 ; C15.1@19.445,9.148 v1(19.445,11.177) ; C23.2@80.65,33.8 82.087,33.8 v1(82.351,34.064) ; C2.1@85.805,27.908 v1(87.138,26.575) ; R3.2@90.234,21.304 90.91,20.628 v1(91.727,20.628) ; 91.35,21.005 R21.2@91.35,23.175 ; R18.2@97.55,28.35 R22.2@97.55,29.975 ; R22.2@97.675,29.9 98.375,29.9 99.15,30.675 v1(99.15,31.825)
  other v1: 89.147,9.324 88.15,10.375 89.147,10.4 88.15,11.413 89.147,11.413 19.25,14.2
5VP: C6.2 C7.2 C18.1 C25.1 C26.1 C29.2 CON3.1 CON3.2 CON5.197 CON5.198 CON5.199 CON5.200 U1.A1 U1.B1 U3.4 | length 34
  Top Layer w0.254: CON5.197@67.85,10.89 CON5.197@67.888,10.928 ; 68.7,21.375 68.75,21.325 ; C26.1@74.3,23.125 C26.1@74.5,22.925 ; U3.4@96.65,24.3 96.8,24.15 v1(98.025,24.15)
  Top Layer w0.4: CON5.197@67.888,10.928 67.888,12.9 68.15,13.162 68.15,18.99 68.15,20.825 68.7,21.375 ; CON5.199@68.45,10.89 68.45,12.525 68.75,12.825 68.75,18.99 68.75,21.325
  Top Layer w1: 68.7,21.375 69.45,21.375 70.925,22.85 74.425,22.85 C26.1@74.5,22.925 ; C26.1@74.3,23.125 C25.1@74.3,25.85
  Bottom Layer w0.254: v1(98.025,24.15) 99.41,24.15 C18.1@99.61,24.35
  other v1: 94.625,10.35 95.775,10.375
CAM2H_N: CON3.3 U3.3 U4.8 | length 10.3
  Top Layer w0.254: U4.8@90.943,26.575 U4.8@90.947,26.57
  Top Layer w0.3: U4.8@90.943,26.575 91.49,26.575 92.89,25.175 94.725,25.175 ; U3.3@94.75,24.3 94.75,25.15 94.725,25.175 ; CON3.3@99.425,24.4 98.65,25.175 94.725,25.175
CAM2H_P: CON3.4 U3.2 U4.9 | length 10.6
  Top Layer w0.3: U4.9@90.943,27.21 91.704,27.21 93.163,25.75 94.75,25.75 ; U3.2@94.75,26.6 94.75,25.75 ; CON3.4@100.07,25.695 100.015,25.75 94.75,25.75